# KiCad board kim-1.kicad_pcb (continued)
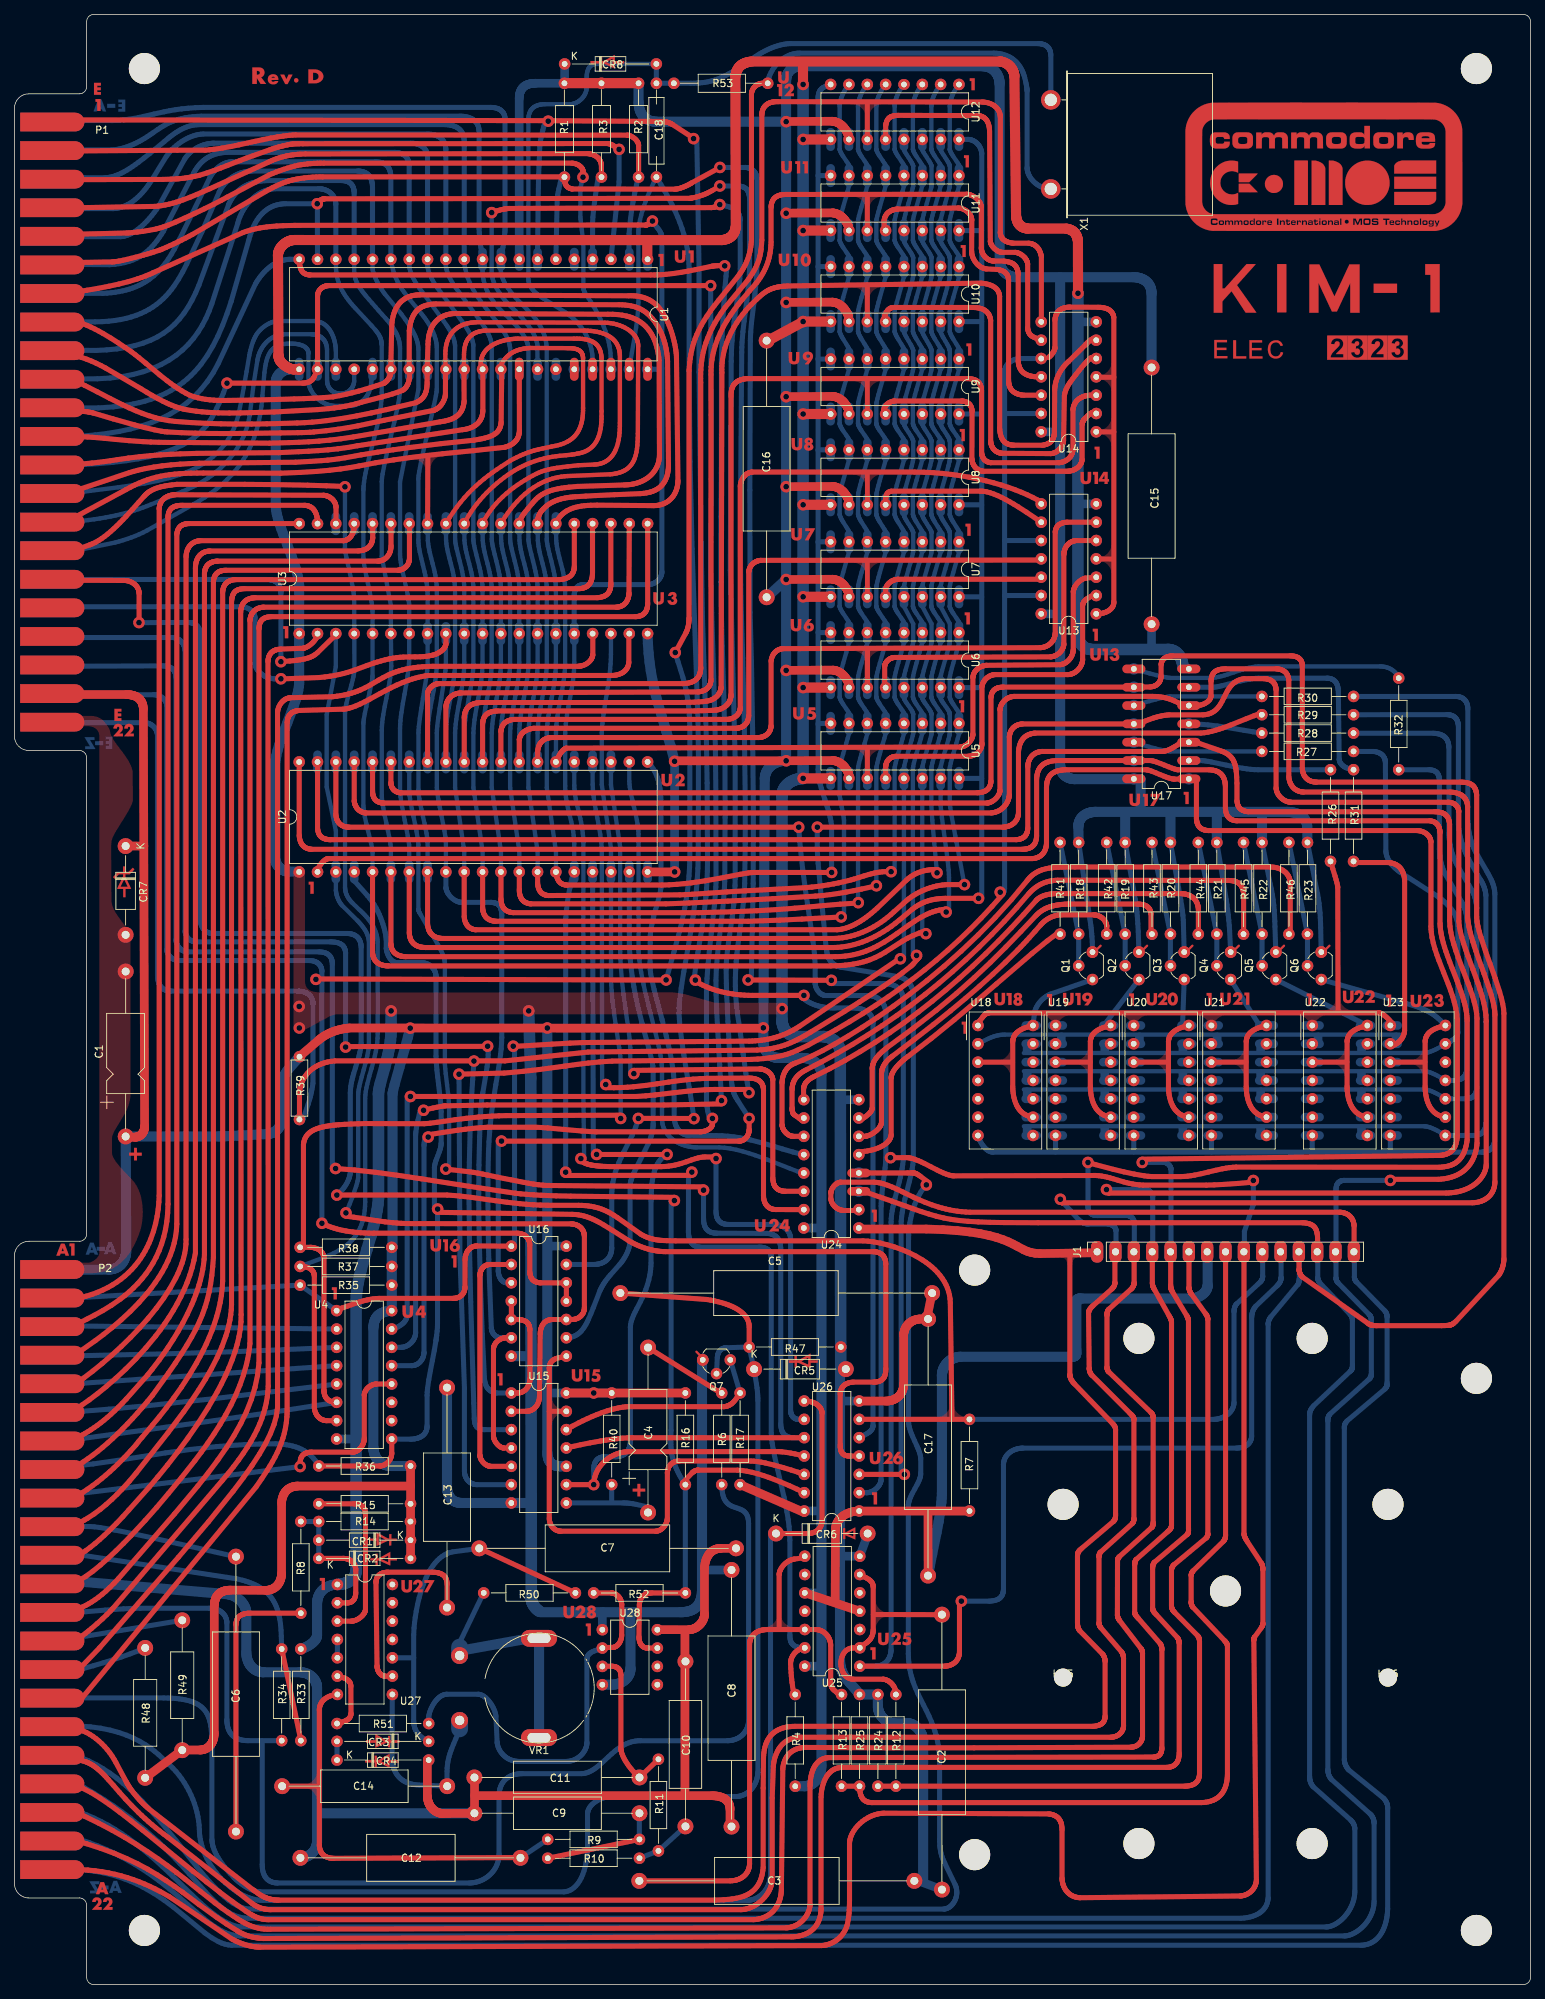
[diagram p0: board, top side]
## Routing (per net, layer and track width the routed paths; a pad name or vN(x,y) marks a point on that pad's centre or on a via; arc(x,y) is an arc through that point) (continued)
  Bottom w0.7: 6.6,238.37 13.15,238.32 13.91,238.38 14.61,238.48 15.26,238.61 15.86,238.78 16.42,238.98 16.94,239.22 17.42,239.48 17.87,239.78 18.29,240.1 18.68,240.44 19.05,240.81 19.39,241.2 19.72,241.61 20.04,242.04 20.34,242.49 20.63,242.95 24.8,250.95 24.9,251.14 25,251.32 25.11,251.5 25.22,251.67 25.33,251.83 25.45,251.98 25.57,252.13 25.69,252.27 25.82,252.4 25.94,252.53 26.07,252.65 26.21,252.77 26.34,252.87 26.48,252.98 26.62,253.07 26.76,253.16 26.9,253.25 27.05,253.32 27.2,253.4 27.35,253.46 27.51,253.53 27.66,253.58 27.98,253.68 28.31,253.76 28.64,253.82 28.98,253.86 29.33,253.88 52.62,253.88 52.75,253.88 52.87,253.87 52.99,253.86 53.1,253.84 53.21,253.82 53.32,253.8 53.42,253.77 53.51,253.74 53.61,253.71 53.7,253.67 53.78,253.63 53.86,253.58 53.94,253.54 54.01,253.48 54.08,253.43 54.14,253.37 54.2,253.31 54.26,253.25 54.31,253.18 54.36,253.11 54.41,253.04 54.45,252.97 54.49,252.89 54.52,252.81 54.55,252.72 54.58,252.64 54.63,252.46 54.66,252.27 54.68,252.07 54.68,239.06
  vias: v1(127.79,154.05)
/A6: length 354.3
  Top w0.7: 131.58,152.42 129.3,152.42 128.91,152.4 128.52,152.36 128.12,152.3 127.71,152.22 127.3,152.12 126.89,152 126.49,151.86 126.08,151.71 125.68,151.54 125.29,151.35 124.91,151.14 124.54,150.92 124.19,150.69 123.84,150.44 123.52,150.17 123.21,149.89 121.83,148.66 121.4,148.27 120.95,147.89 120.49,147.53 120.01,147.19 119.52,146.87 119.02,146.58 118.51,146.3 117.99,146.04 117.46,145.81 116.92,145.61 116.38,145.43 115.83,145.28 115.27,145.15 114.71,145.06 114.15,144.99 113.58,144.96 59.36,144.96 59.21,144.96 59.08,144.97 58.94,144.99 58.81,145.01 58.69,145.04 58.58,145.07 58.47,145.11 58.36,145.15 58.26,145.19 58.17,145.24 58.08,145.29 58,145.35 57.92,145.41 57.84,145.48 57.77,145.54 57.71,145.61 57.65,145.69 57.59,145.76 57.54,145.84 57.5,145.92 57.45,146 57.42,146.08 57.38,146.17 57.35,146.26 57.3,146.43 57.26,146.61 57.24,146.79 57.23,146.98 57.23,154.17
  Bottom w0.6: 130.82,263.3 130.76,263.23 130.62,263.03 130.52,262.89 130.42,262.72 130.3,262.54 130.19,262.33 130.07,262.11 129.95,261.87 129.9,261.74 129.85,261.61 129.8,261.48 129.75,261.35 129.71,261.22 129.67,261.08 129.64,260.94 129.61,260.8 129.58,260.66 129.57,260.52 129.56,260.38 129.55,260.24 129.55,254.37 129.55,254.32 129.56,254.27 129.57,254.21 129.59,254.16 129.63,254.03 129.69,253.91 129.76,253.77 129.85,253.63 129.94,253.48 130.03,253.33 130.46,252.71 130.66,252.4 130.75,252.25 130.84,252.11 130.84,249.23 130.65,248.5 130.45,247.74 130.02,246.28 129.84,245.63 129.68,245.08 129.59,244.65 129.56,244.49 129.55,244.37 129.55,241.76 129.56,241.71 129.57,241.65 129.58,241.59 129.6,241.53 129.64,241.41 129.7,241.28 129.77,241.14 129.86,241 129.95,240.85 130.04,240.7 130.46,240.09 130.66,239.79 130.75,239.64 130.84,239.5 130.84,236.62 130.46,235.25 130.04,233.79 129.85,233.11 129.7,232.52 129.59,232.06 129.56,231.89 129.55,231.76 129.55,229.12 129.56,229.07 129.56,229.02 129.58,228.96 129.59,228.9 129.64,228.77 129.7,228.64 129.77,228.49 129.85,228.34 129.94,228.18 130.04,228.01 130.46,227.34 130.66,227.01 130.75,226.84 130.84,226.69 130.84,223.81 130.46,222.45 130.03,220.99 129.85,220.32 129.69,219.73 129.59,219.26 129.56,219.08 129.55,218.95 129.55,216.37 129.55,216.32 129.56,216.26 129.57,216.2 129.59,216.14 129.61,216.08 129.63,216.02 129.69,215.89 129.76,215.75 129.85,215.61 129.94,215.46 130.03,215.31 130.46,214.7 130.66,214.4 130.75,214.25 130.84,214.11 130.84,211.23 130.46,209.87 130.03,208.42 129.85,207.75 129.69,207.16 129.59,206.69 129.56,206.51 129.55,206.37 129.55,203.78 129.56,203.73 129.57,203.67 129.58,203.61 129.6,203.54 129.64,203.41 129.7,203.27 129.77,203.12 129.85,202.97 129.94,202.81 130.04,202.65 130.46,202 130.66,201.67 130.75,201.51 130.84,201.36 130.84,198.48 130.46,197.12 130.04,195.68 129.85,195 129.7,194.41 129.59,193.94 129.56,193.76 129.55,193.62 129.55,191.04 129.55,190.99 129.56,190.94 129.57,190.88 129.59,190.82 129.63,190.7 129.69,190.57 129.76,190.44 129.84,190.29 129.94,190.15 130.03,190 130.46,189.38 130.66,189.07 130.75,188.92 130.84,188.78 130.84,185.9 130.46,184.54 130.04,183.09 129.85,182.42 129.69,181.83 129.59,181.36 129.56,181.18 129.55,181.04 129.55,178.46 129.56,178.41 129.57,178.35 129.58,178.29 129.6,178.23 129.64,178.11 129.7,177.97 129.77,177.84 129.85,177.7 129.94,177.55 130.04,177.4 130.46,176.79 130.66,176.49 130.75,176.34 130.84,176.2 130.84,173.32 130.66,172.67 130.46,171.97 130.03,170.53 129.84,169.86 129.69,169.27 129.59,168.79 129.56,168.6 129.55,168.46 129.55,163.7 129.57,163.48 129.61,163.14 129.78,162.12 130.32,159.16 131.59,152.41 ; 52.14,239.05 52.22,238.55 52.32,238.07 52.43,237.61 52.56,237.19 52.71,236.79 52.86,236.41 53.03,236.05 53.2,235.71 53.38,235.39 53.57,235.08 53.77,234.79 53.97,234.51 54.37,233.98 54.78,233.47 56.39,231.51 56.61,231.24 56.81,230.97 57.01,230.69 57.2,230.4 57.38,230.11 57.56,229.82 57.72,229.53 57.87,229.23 58,228.93 58.12,228.64 58.23,228.34 58.32,228.05 58.39,227.75 58.45,227.47 58.48,227.18 58.5,226.9 58.5,221.07 58.46,220.7 58.38,220.18 58.09,218.76 57.22,214.98 56.75,212.98 56.35,211.14 56.06,209.64 55.98,209.08 55.95,208.66 55.95,200.12 55.96,199.74 56,199.35 56.07,198.94 56.14,198.53 56.34,197.66 56.57,196.75 56.79,195.8 56.9,195.31 57,194.81 57.08,194.3 57.15,193.78 57.2,193.25 57.23,192.71 57.23,182.89 57.21,182.51 57.16,182.05 57.02,180.94 56.58,178.24 56.35,176.84 56.16,175.51 56.01,174.35 55.98,173.86 55.96,173.44 55.96,165.58 55.98,165.18 56.03,164.75 56.09,164.3 56.17,163.84 56.36,162.87 56.58,161.89 56.8,160.91 56.99,159.97 57.08,159.52 57.14,159.09 57.19,158.69 57.22,158.31 57.22,154.21
  Bottom w0.7: 7.06,234.35 12.24,234.35 12.84,234.38 13.42,234.44 13.97,234.51 14.5,234.59 15.01,234.7 15.49,234.82 15.96,234.95 16.4,235.1 16.82,235.27 17.23,235.45 17.62,235.64 17.98,235.85 18.34,236.07 18.67,236.3 19.3,236.79 19.88,237.32 20.4,237.89 20.88,238.49 21.33,239.12 21.74,239.78 22.13,240.45 22.86,241.82 27.09,250.42 27.22,250.65 27.37,250.87 27.52,251.08 27.68,251.28 27.84,251.47 28.01,251.64 28.19,251.8 28.38,251.95 28.57,252.08 28.78,252.2 28.88,252.25 28.98,252.3 29.09,252.35 29.2,252.39 29.31,252.43 29.42,252.46 29.54,252.49 29.65,252.52 29.77,252.54 29.89,252.56 30.01,252.57 30.13,252.58 49.94,252.58 50.19,252.57 50.43,252.55 50.65,252.51 50.76,252.49 50.86,252.46 50.96,252.43 51.05,252.4 51.15,252.36 51.23,252.31 51.32,252.27 51.4,252.21 51.47,252.16 51.55,252.1 51.61,252.03 51.68,251.96 51.74,251.88 51.8,251.8 51.85,251.72 51.9,251.63 51.94,251.53 51.98,251.43 52.01,251.33 52.04,251.21 52.07,251.1 52.09,250.97 52.11,250.85 52.12,250.71 52.13,250.57 52.13,250.42 52.13,239.06
  vias: v1(131.59,152.42)
/A7: length 372.3
  Top w0.7: 133.53,150.52 128.92,150.52 128.62,150.51 128.32,150.49 128.03,150.46 127.73,150.43 127.44,150.38 127.16,150.33 126.87,150.26 126.58,150.18 126.3,150.09 126.02,149.98 125.73,149.85 125.45,149.71 125.17,149.56 124.89,149.38 124.6,149.19 124.32,148.97 122.57,147.5 122.03,147.06 121.48,146.65 120.92,146.26 120.36,145.9 119.79,145.56 119.21,145.25 118.63,144.96 118.05,144.71 117.47,144.48 116.89,144.28 116.3,144.11 115.72,143.97 115.14,143.85 114.57,143.77 114,143.72 113.44,143.7 56.94,143.7 56.68,143.71 56.56,143.72 56.44,143.74 56.33,143.76 56.21,143.78 56.11,143.81 56,143.84 55.9,143.88 55.8,143.91 55.71,143.96 55.62,144.01 55.53,144.06 55.45,144.11 55.37,144.17 55.3,144.23 55.23,144.3 55.16,144.37 55.1,144.45 55.05,144.53 54.99,144.61 54.94,144.7 54.9,144.79 54.86,144.89 54.82,144.99 54.79,145.09 54.76,145.2 54.74,145.31 54.72,145.43 54.7,145.55 54.7,145.68 54.69,145.81 54.69,154.17
  Bottom w0.6: 49.6,239.07 49.6,237.88 49.61,237.71 49.64,237.52 49.69,237.31 49.75,237.09 49.83,236.86 49.93,236.63 50.04,236.38 50.15,236.13 50.28,235.88 50.42,235.63 50.56,235.38 50.71,235.14 50.86,234.9 51.01,234.67 51.17,234.45 51.32,234.24 53.6,231.46 54.14,230.72 54.61,230.03 54.82,229.71 55.01,229.4 55.19,229.1 55.34,228.81 55.48,228.52 55.6,228.24 55.7,227.96 55.79,227.68 55.86,227.41 55.91,227.13 55.94,226.85 55.96,226.56 55.96,221.05 53.41,208.21 53.41,198.22 53.42,197.88 53.46,197.49 53.52,197.06 53.6,196.6 53.8,195.61 54.03,194.58 54.26,193.56 54.47,192.6 54.61,191.77 54.66,191.42 54.68,191.11 54.68,183.57 54.65,183.06 54.61,182.52 54.46,181.34 54.25,180.09 54.03,178.8 53.8,177.52 53.6,176.28 53.53,175.69 53.47,175.13 53.43,174.61 53.41,174.12 53.41,165.35 53.43,165 53.48,164.59 53.63,163.61 53.83,162.5 54.06,161.33 54.48,159.14 54.62,158.28 54.66,157.95 54.68,157.69 54.68,154.2
  Bottom w0.7: 133.98,150.52 133.98,253.65 133.98,253.75 133.97,253.85 133.96,253.95 133.94,254.05 133.91,254.14 133.89,254.24 133.85,254.33 133.82,254.42 133.78,254.51 133.73,254.6 133.69,254.69 133.63,254.77 133.58,254.85 133.52,254.93 133.46,255 133.39,255.07 133.33,255.14 133.26,255.21 133.18,255.27 133.11,255.32 133.03,255.38 132.95,255.43 132.87,255.48 132.78,255.52 132.7,255.55 132.61,255.59 132.52,255.62 132.43,255.64 132.34,255.66 132.24,255.67 132.15,255.68 132.06,255.68 130.83,255.68 ; 130.83,217.63 133.97,217.63 ; 130.83,230.44 133.97,230.44 ; 130.83,167.14 133.97,167.14 ; 130.83,243.05 133.97,243.05 ; 130.83,179.72 133.97,179.72 ; 130.83,205.05 133.97,205.05 ; 6.65,230.4 11.17,230.4 12.13,230.43 13.04,230.49 13.9,230.59 14.7,230.72 15.47,230.88 16.18,231.08 16.86,231.3 17.5,231.55 18.09,231.83 18.65,232.14 19.18,232.46 19.68,232.82 20.14,233.19 20.58,233.58 20.99,234 21.38,234.43 21.74,234.88 22.09,235.35 22.73,236.32 23.31,237.34 23.85,238.4 25.94,242.81 28.37,248.42 28.53,248.71 28.71,248.99 28.9,249.26 29.12,249.52 29.35,249.77 29.59,250 29.86,250.22 29.99,250.33 30.14,250.43 30.28,250.52 30.43,250.61 30.58,250.7 30.74,250.78 30.9,250.86 31.07,250.93 31.24,250.99 31.41,251.05 31.58,251.11 31.76,251.15 31.95,251.19 32.13,251.23 32.32,251.26 32.51,251.28 32.71,251.29 32.91,251.3 47.5,251.3 47.63,251.3 47.76,251.29 47.88,251.28 47.99,251.26 48.1,251.24 48.21,251.22 48.32,251.19 48.42,251.15 48.51,251.11 48.6,251.07 48.69,251.02 48.77,250.97 48.85,250.92 48.93,250.86 49,250.8 49.06,250.73 49.13,250.66 49.19,250.58 49.24,250.5 49.29,250.41 49.34,250.32 49.38,250.23 49.42,250.13 49.45,250.03 49.49,249.93 49.51,249.82 49.54,249.71 49.56,249.59 49.57,249.47 49.58,249.34 49.6,249.08 49.6,239.08 ; 130.83,192.3 133.97,192.3
  vias: v1(133.54,150.52)
/A8: length 349.8
  Top w0.7: 129.05,149.02 128.57,148.97 128.11,148.89 127.65,148.78 127.21,148.64 126.77,148.48 126.35,148.29 125.51,147.86 124.69,147.36 123.88,146.8 122.22,145.62 121.36,145.03 120.46,144.45 119.52,143.92 119.02,143.67 118.51,143.44 117.99,143.23 117.44,143.03 116.88,142.86 116.29,142.72 115.68,142.6 115.05,142.51 114.39,142.45 113.71,142.43 54.2,142.43 53.98,142.44 53.88,142.46 53.77,142.47 53.67,142.49 53.57,142.51 53.47,142.53 53.38,142.56 53.29,142.59 53.2,142.63 53.11,142.67 53.03,142.71 52.95,142.75 52.87,142.8 52.8,142.85 52.73,142.9 52.66,142.96 52.6,143.02 52.54,143.09 52.49,143.16 52.43,143.23 52.39,143.3 52.34,143.38 52.3,143.46 52.27,143.54 52.24,143.63 52.21,143.72 52.19,143.81 52.17,143.91 52.16,144.01 52.15,144.11 52.15,144.22 52.15,154.17
  Bottom w0.6: 47.06,239.08 47.06,237.23 47.07,237.03 47.1,236.84 47.15,236.64 47.2,236.43 47.27,236.23 47.35,236.03 47.44,235.83 47.55,235.62 47.66,235.42 47.78,235.21 47.92,235.01 48.06,234.8 48.21,234.6 48.36,234.39 48.52,234.19 48.69,233.98 49.1,233.5 49.54,233.01 49.98,232.5 50.43,231.98 50.91,231.44 51.41,230.88 51.66,230.59 51.91,230.3 52.15,230 52.37,229.69 52.59,229.37 52.78,229.03 52.87,228.86 52.95,228.69 53.03,228.51 53.1,228.33 53.17,228.14 53.23,227.95 53.28,227.75 53.32,227.55 53.36,227.35 53.38,227.14 53.4,226.92 53.41,226.7 53.41,220.94 53.37,220.44 53.29,219.83 53,218.3 52.6,216.49 52.14,214.55 51.69,212.61 51.28,210.82 50.99,209.32 50.91,208.73 50.87,208.26 50.87,197.88 52.14,191.12 52.14,187.2 ; 129.45,148.62 129.45,153.36 129.43,153.85 129.39,154.42 129.26,155.73 129.08,157.19 128.87,158.73 128.47,161.62 128.34,162.81 128.3,163.3 128.28,163.7 128.28,168.53 128.29,168.68 128.33,168.9 128.48,169.49 128.68,170.22 128.92,171.01 129.36,172.51 129.51,173.08 129.55,173.28 129.57,173.42 129.57,175.99 129.56,176.06 129.55,176.12 129.53,176.19 129.51,176.26 129.48,176.33 129.45,176.4 129.36,176.55 129.27,176.71 129.16,176.87 128.93,177.2 128.69,177.52 128.59,177.67 128.49,177.83 128.41,177.97 128.37,178.04 128.34,178.1 128.32,178.17 128.3,178.23 128.29,178.29 128.28,178.34 128.28,181.13 128.3,181.28 128.34,181.49 128.48,182.07 128.93,183.6 129.16,184.4 129.37,185.13 129.51,185.72 129.55,185.94 129.57,186.1 129.57,188.56 128.28,190.97 128.28,193.66 128.3,193.82 128.34,194.03 128.49,194.62 128.93,196.16 129.17,196.97 129.37,197.71 129.52,198.3 129.55,198.52 129.57,198.68 129.57,201.18 129.56,201.23 129.55,201.28 129.53,201.34 129.51,201.41 129.44,201.55 129.36,201.7 129.26,201.86 129.16,202.04 128.92,202.4 128.69,202.76 128.58,202.94 128.49,203.11 128.41,203.28 128.34,203.43 128.32,203.5 128.3,203.56 128.29,203.63 128.28,203.68 128.28,206.38 128.3,206.53 128.34,206.74 128.48,207.33 128.93,208.89 129.17,209.71 129.37,210.46 129.52,211.05 129.55,211.28 129.57,211.43 129.57,213.81 129.56,213.87 129.55,213.93 129.53,214 129.51,214.07 129.45,214.22 129.37,214.38 129.27,214.55 129.16,214.73 128.93,215.09 128.69,215.45 128.58,215.62 128.48,215.78 128.4,215.93 128.34,216.07 128.31,216.14 128.3,216.2 128.29,216.25 128.28,216.3 128.28,218.96 128.3,219.11 128.34,219.32 128.49,219.91 128.93,221.46 129.17,222.28 129.37,223.02 129.52,223.62 129.55,223.83 129.57,223.99 129.57,226.39 129.56,226.44 129.55,226.51 129.53,226.57 129.51,226.64 129.45,226.8 129.37,226.97 129.27,227.16 129.16,227.35 128.93,227.75 128.7,228.15 128.59,228.34 128.49,228.52 128.41,228.69 128.34,228.84 128.3,228.98 128.29,229.04 128.28,229.09 128.28,231.76 128.3,231.89 128.34,232.1 128.49,232.68 128.94,234.24 129.17,235.07 129.37,235.84 129.52,236.46 129.55,236.69 129.57,236.86 129.57,239.23 129.56,239.29 129.55,239.35 129.53,239.42 129.51,239.49 129.44,239.63 129.36,239.79 129.27,239.96 129.16,240.13 128.93,240.48 128.69,240.83 128.59,240.99 128.49,241.15 128.41,241.31 128.34,241.45 128.32,241.51 128.3,241.58 128.29,241.63 128.28,241.69 128.28,244.37 128.29,244.5 128.33,244.71 128.47,245.28 128.91,246.83 129.36,248.38 129.5,248.96 129.55,249.16 129.57,249.3 129.57,251.97 129.56,252.02 129.55,252.07 129.5,252.19 129.44,252.33 129.35,252.48 129.26,252.65 129.15,252.82 128.92,253.18 128.68,253.53 128.48,253.86 128.4,254 128.34,254.12 128.3,254.22 128.28,254.26 128.28,254.3 ; 52.14,154.22 52.14,157.31 52.13,157.63 52.08,158 51.94,158.88 51.74,159.88 51.51,160.95 51.28,162.03 51.08,163.06 51,163.54 50.94,163.98 50.9,164.38 50.88,164.72 50.88,173.8 50.9,174.32 50.94,174.86 51,175.4 51.08,175.95 51.28,177.08 51.51,178.23 51.75,179.38 51.96,180.52 52.05,181.09 52.12,181.64 52.17,182.19 52.2,182.73 52.14,187.19
  Bottom w0.7: 47.06,239.07 47.06,248.26 47.05,248.46 47.04,248.55 47.03,248.64 47.01,248.73 46.99,248.82 46.97,248.9 46.95,248.98 46.92,249.06 46.89,249.13 46.85,249.2 46.81,249.27 46.77,249.34 46.73,249.4 46.68,249.46 46.63,249.52 46.57,249.57 46.51,249.62 46.45,249.67 46.39,249.71 46.32,249.76 46.25,249.79 46.17,249.83 46.1,249.86 46.01,249.89 45.93,249.91 45.84,249.93 45.75,249.95 45.66,249.96 45.56,249.97 45.46,249.98 45.35,249.98 35.13,249.98 34.65,249.96 34.19,249.91 33.75,249.85 33.54,249.81 33.33,249.76 33.12,249.71 32.92,249.65 32.73,249.58 32.53,249.51 32.35,249.43 32.16,249.35 31.98,249.25 31.81,249.16 31.64,249.05 31.48,248.94 31.32,248.83 31.16,248.7 31.01,248.57 30.86,248.43 30.72,248.29 30.59,248.13 30.45,247.97 30.33,247.81 30.2,247.63 30.09,247.45 29.97,247.26 29.86,247.06 29.76,246.86 29.66,246.65 25.54,235.47 25.08,234.4 24.59,233.4 24.06,232.47 23.49,231.6 22.87,230.81 22.19,230.08 21.46,229.42 20.66,228.83 19.79,228.3 18.85,227.84 17.82,227.45 16.71,227.12 15.5,226.85 14.2,226.65 12.79,226.51 11.28,226.44 6.83,226.49
  vias: v1(129.05,148.62)
/A9: length 351.2
  Top w0.7: 49.6,154.17 49.6,143.07 49.61,142.96 49.62,142.84 49.63,142.73 49.65,142.63 49.67,142.53 49.7,142.43 49.73,142.34 49.77,142.24 49.81,142.16 49.85,142.07 49.9,141.99 49.96,141.92 50.01,141.84 50.08,141.77 50.14,141.71 50.21,141.65 50.28,141.59 50.36,141.53 50.44,141.48 50.53,141.44 50.62,141.39 50.71,141.35 50.81,141.32 50.91,141.28 51.02,141.25 51.12,141.23 51.24,141.21 51.35,141.19 51.47,141.18 51.59,141.16 51.72,141.16 51.85,141.15 113.09,141.15 113.79,141.17 114.45,141.21 115.07,141.26 115.65,141.33 116.2,141.41 116.72,141.5 117.2,141.61 117.66,141.73 118.09,141.86 118.49,142.01 119.25,142.32 119.93,142.66 120.57,143.03 123.03,144.61 123.72,144.99 124.47,145.36 125.31,145.71 125.76,145.87 126.25,146.02
  Bottom w0.6: 125.74,254.3 125.75,254.26 125.76,254.22 125.8,254.12 125.86,254 125.94,253.86 126.15,253.53 126.38,253.18 126.61,252.82 126.72,252.65 126.82,252.48 126.9,252.33 126.97,252.19 127.01,252.07 127.02,252.02 127.03,251.97 127.03,249.3 127.01,249.16 126.97,248.96 126.82,248.38 126.38,246.83 125.94,245.28 125.8,244.71 125.76,244.5 125.74,244.37 125.74,241.69 125.75,241.63 125.76,241.58 125.78,241.51 125.81,241.45 125.87,241.31 125.95,241.15 126.05,240.99 126.16,240.83 126.39,240.48 126.62,240.13 126.73,239.96 126.83,239.79 126.91,239.63 126.97,239.49 126.99,239.42 127.01,239.35 127.02,239.29 127.03,239.23 127.03,236.86 127.02,236.69 126.98,236.46 126.84,235.84 126.64,235.07 126.4,234.24 125.95,232.68 125.81,232.1 125.76,231.89 125.74,231.76 125.74,229.09 125.75,229.04 125.76,228.98 125.8,228.84 125.87,228.69 125.95,228.52 126.05,228.34 126.16,228.15 126.39,227.75 126.63,227.35 126.74,227.16 126.83,226.97 126.91,226.8 126.98,226.64 127,226.57 127.02,226.51 127.03,226.44 127.03,226.39 127.03,223.99 127.02,223.83 126.98,223.62 126.84,223.02 126.63,222.28 126.39,221.46 125.95,219.91 125.8,219.32 125.76,219.11 125.74,218.96 125.74,216.3 125.75,216.25 125.76,216.2 125.78,216.14 125.8,216.07 125.87,215.93 125.95,215.78 126.05,215.62 126.15,215.45 126.39,215.09 126.63,214.73 126.73,214.55 126.83,214.38 126.91,214.22 126.98,214.07 127,214 127.02,213.93 127.03,213.87 127.03,213.81 127.03,211.43 127.02,211.28 126.98,211.05 126.84,210.46 126.63,209.71 126.39,208.89 125.95,207.33 125.8,206.74 125.76,206.53 125.74,206.38 125.74,203.68 125.75,203.63 125.76,203.56 125.78,203.5 125.8,203.43 125.87,203.28 125.95,203.11 126.05,202.94 126.15,202.76 126.39,202.4 126.62,202.04 126.73,201.86 126.82,201.7 126.91,201.55 126.97,201.41 126.99,201.34 127.01,201.28 127.02,201.23 127.03,201.18 127.03,198.67 127.02,198.52 126.98,198.3 126.84,197.71 126.63,196.97 126.4,196.16 125.95,194.62 125.8,194.03 125.76,193.81 125.74,193.66 125.74,190.97 127.03,188.56 127.03,186.1 127.02,185.94 126.98,185.72 126.83,185.13 126.63,184.4 126.39,183.6 125.95,182.07 125.8,181.49 125.76,181.28 125.74,181.13 125.74,178.34 125.75,178.28 125.76,178.23 125.78,178.17 125.81,178.1 125.84,178.04 125.87,177.97 125.95,177.83 126.05,177.67 126.16,177.52 126.39,177.19 126.63,176.87 126.73,176.71 126.83,176.55 126.91,176.4 126.94,176.33 126.97,176.25 127,176.19 127.01,176.12 127.03,176.06 127.03,175.99 127.03,173.42 127.01,173.28 126.97,173.08 126.83,172.51 126.38,171.01 126.15,170.22 125.94,169.49 125.8,168.9 125.76,168.68 125.74,168.53 125.74,145.6 ; 44.52,239.06 44.54,237.81 44.57,237.39 44.62,236.98 44.7,236.59 44.79,236.2 44.91,235.83 45.05,235.46 45.21,235.11 45.38,234.77 45.57,234.43 45.77,234.11 45.99,233.79 46.21,233.48 46.45,233.18 46.69,232.88 46.94,232.59 47.2,232.31 49.47,229.88 49.97,229.3 50.09,229.15 50.2,229.01 50.31,228.85 50.42,228.7 50.51,228.54 50.6,228.37 50.64,228.29 50.68,228.2 50.71,228.11 50.74,228.03 50.77,227.93 50.8,227.84 50.82,227.74 50.84,227.65 50.85,227.55 50.86,227.44 50.87,227.34 50.87,227.23 50.87,220.61 50.86,220.06 50.83,219.51 50.78,218.96 50.71,218.42 50.63,217.89 50.55,217.38 50.45,216.9 50.36,216.45 49.31,212.24 49.11,211.52 48.93,210.81 48.77,210.12 48.63,209.44 48.51,208.8 48.42,208.19 48.36,207.63 48.34,207.37 48.34,207.12 48.34,197.66 48.36,197.35 48.4,196.98 48.54,196.14 48.74,195.19 48.96,194.16 49.18,193.12 49.38,192.1 49.46,191.62 49.53,191.15 49.57,190.72 49.6,190.32 49.6,181.36 49.58,181.11 49.54,180.79 49.4,180.01 49.2,179.09 48.97,178.09 48.74,177.09 48.53,176.15 48.39,175.34 48.35,175.01 48.33,174.74 48.33,163.36 48.35,163.02 48.39,162.64 48.46,162.23 48.54,161.78 48.74,160.85 48.98,159.88 49.41,158.09 49.55,157.39 49.59,157.11 49.6,156.88 49.6,154.21
  Bottom w0.7: 44.51,239.07 44.51,246.64 44.51,246.76 44.5,246.89 44.49,247.01 44.46,247.13 44.44,247.24 44.4,247.35 44.37,247.46 44.32,247.56 44.27,247.66 44.22,247.76 44.16,247.85 44.1,247.94 44.03,248.02 43.96,248.1 43.89,248.18 43.81,248.25 43.72,248.32 43.63,248.39 43.54,248.45 43.45,248.51 43.35,248.56 43.25,248.61 43.15,248.65 43.04,248.69 42.93,248.73 42.82,248.76 42.71,248.79 42.59,248.81 42.47,248.83 42.35,248.84 42.11,248.85 36.14,248.85 35.9,248.84 35.66,248.81 35.43,248.78 35.2,248.72 34.97,248.66 34.75,248.59 34.53,248.5 34.31,248.4 34.11,248.29 33.9,248.18 33.7,248.05 33.51,247.91 33.32,247.77 33.13,247.62 32.78,247.29 32.45,246.94 32.15,246.56 31.87,246.17 31.62,245.77 31.41,245.36 31.22,244.94 31.06,244.51 30.94,244.1 27.34,232.9 26.96,231.88 26.52,230.89 26.02,229.93 25.45,229.01 24.81,228.12 24.09,227.28 23.28,226.5 22.39,225.76 21.41,225.09 20.33,224.48 19.14,223.95 17.85,223.49 16.44,223.11 14.91,222.82 13.26,222.62 11.49,222.51 6.85,222.47
  vias: v1(126.24,145.62)
/A10: length 324.9
  Top w0.7: 97.73,249.22 97.45,249.07 97.18,248.91 96.63,248.59 96.35,248.44 96.07,248.29 95.92,248.22 95.76,248.15 95.6,248.08 95.44,248.01 95.2,247.93 94.94,247.85 94.67,247.76 94.4,247.69 94.14,247.62 93.9,247.57 93.79,247.55 93.69,247.53 93.6,247.52 93.52,247.52 43,247.45 42.94,247.45 42.89,247.44 42.84,247.44 42.79,247.43 42.74,247.42 42.7,247.41 42.66,247.4 42.62,247.38 42.58,247.37 42.54,247.35 42.51,247.33 42.48,247.31 42.45,247.29 42.42,247.27 42.36,247.23 42.31,247.18 42.25,247.13 42.16,247.03 42.11,246.98 42.05,246.93 42,246.88 41.97,246.86 41.94,246.84 ; 54.86,123.06 86.18,123.06 87.45,123.15 88.76,123.28 91.47,123.6 92.85,123.76 94.25,123.89 95.65,123.99 96.35,124.02 97.05,124.03 101.79,124.04
  Bottom w0.7: 7.26,218.47 11.63,218.47 13.67,218.61 15.55,218.86 16.44,219.02 17.28,219.2 18.09,219.42 18.87,219.65 19.61,219.92 20.32,220.21 20.99,220.53 21.64,220.87 22.26,221.24 22.85,221.63 23.41,222.05 23.95,222.5 24.46,222.97 24.95,223.47 25.42,224 25.87,224.55 26.7,225.73 27.47,227.02 28.17,228.41 28.83,229.91 29.44,231.51 30.02,233.23 32.46,241.76 32.6,242.25 32.76,242.74 32.94,243.21 33.13,243.66 33.36,244.09 33.6,244.5 33.87,244.89 34.17,245.24 34.33,245.41 34.49,245.57 34.66,245.72 34.84,245.87 35.03,246 35.22,246.12 35.42,246.24 35.62,246.34 35.84,246.43 36.06,246.52 36.29,246.59 36.53,246.65 36.77,246.7 37.02,246.73 37.28,246.76 37.55,246.77 41.93,246.77 ; 97.7,249.22 100.24,249.22 100.35,249.22 100.45,249.21 100.55,249.19 100.64,249.18 100.73,249.16 100.82,249.13 100.9,249.11 100.98,249.07 101.05,249.04 101.12,249 101.19,248.96 101.25,248.92 101.31,248.87 101.37,248.82 101.42,248.76 101.47,248.7 101.51,248.64 101.55,248.58 101.59,248.51 101.63,248.44 101.66,248.36 101.69,248.28 101.72,248.2 101.74,248.11 101.76,248.03 101.78,247.93 101.8,247.74 101.82,247.53 101.83,247.31 101.83,237.99 101.8,237.22 101.76,236.46 101.62,234.94 101.45,233.44 101.26,231.95 101.07,230.47 100.9,229.02 100.78,227.58 100.75,226.87 100.74,226.17 100.59,207.67 100.56,198.4 100.6,193.94 100.69,189.67 100.88,183.8 101.1,174.7 101.23,163.82 101.22,158.16 101.15,152.59 101.09,151.41 101.01,150.28 100.77,148.11 100.2,143.92 100.08,142.86 99.97,141.78 99.9,140.67 99.86,139.53 99.86,138.34 99.9,137.11 100,135.81 100.16,134.44 100.37,133.05 100.57,131.67 100.94,128.95 101.31,126.27 101.51,124.93 101.74,123.58 ; 52.24,90.84 52.33,90.85 52.45,90.87 52.59,90.91 52.74,90.97 52.91,91.04 53.09,91.12 53.27,91.22 53.45,91.34 53.63,91.47 53.71,91.54 53.8,91.61 53.88,91.69 53.95,91.77 54.03,91.85 54.09,91.94 54.16,92.03 54.21,92.12 54.26,92.22 54.3,92.32 54.34,92.42 54.37,92.53 54.39,92.64 54.4,92.75 54.4,123.07 ; 41.96,246.76 41.98,239.07
  vias: v1(41.94,246.77) v1(54.85,123.06) v1(97.71,249.23) v1(101.74,123.59)
